# Altium PCB Board.PcbDoc (part 10 of 15) (continued)
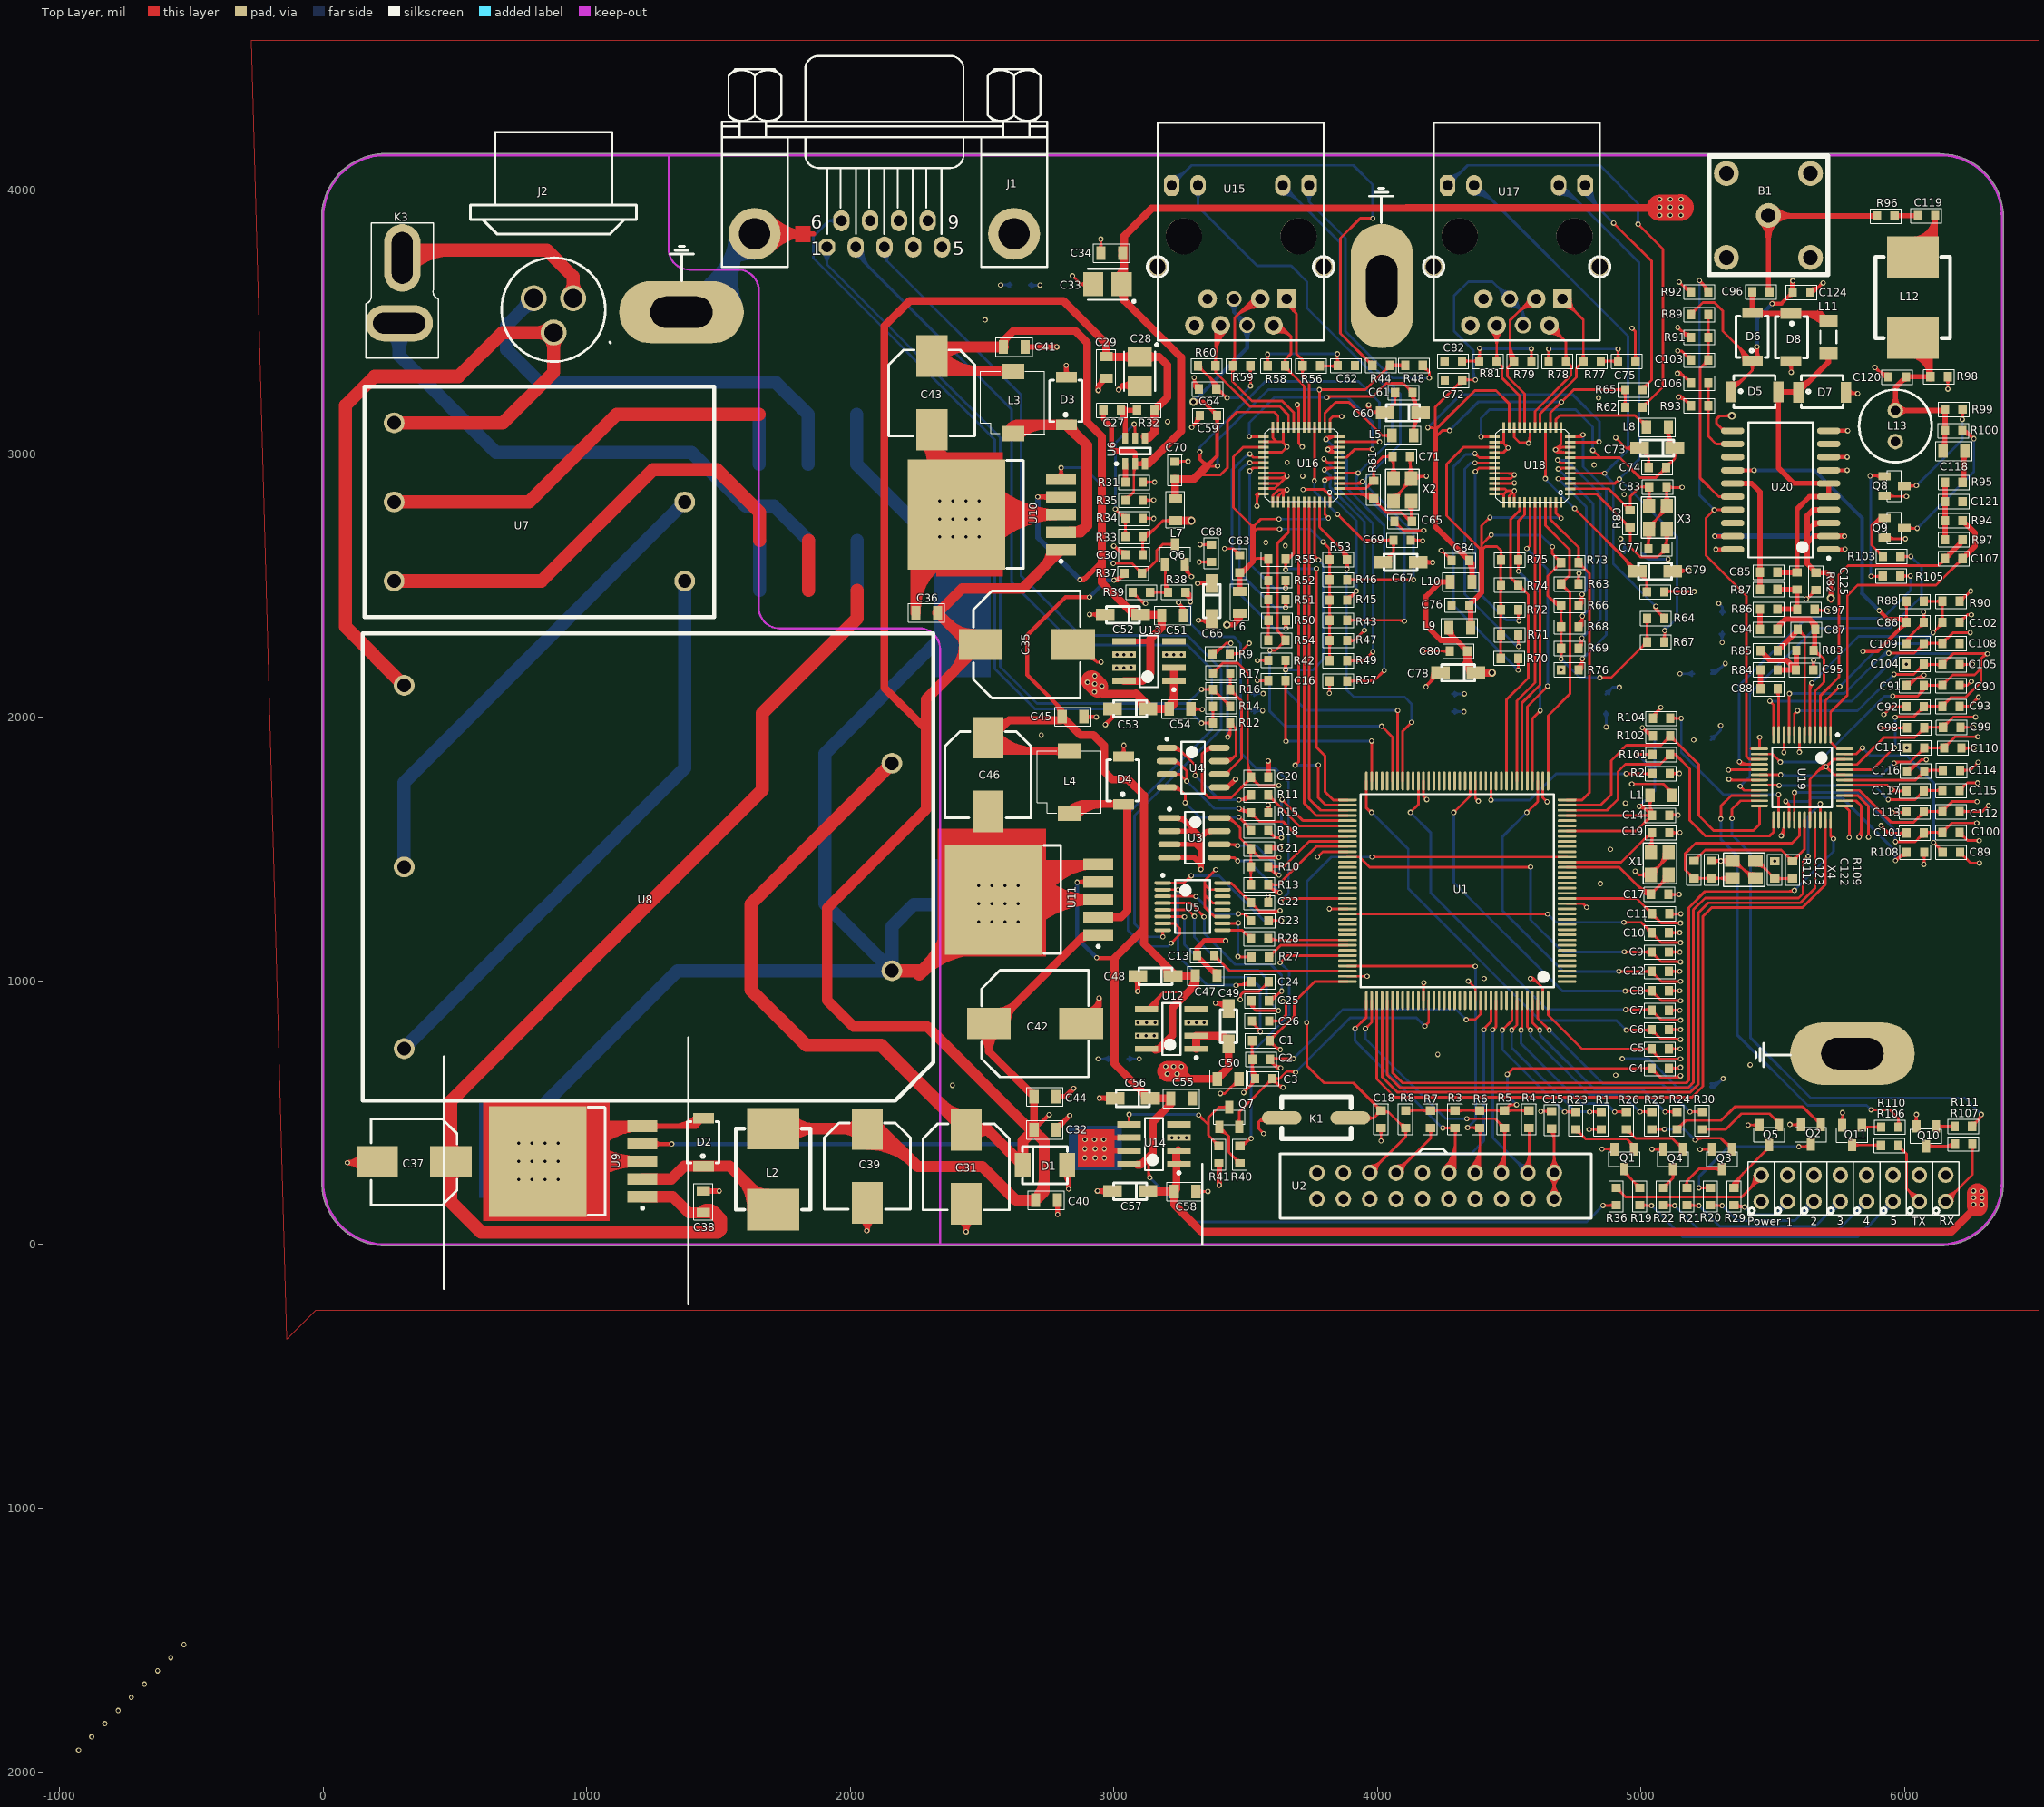
[diagram p0: Top Layer view]
## Nets (pads, with @x,y where several pads share a name; then routed paths per layer and width w, separated by ;. In a path a pad name is that pad's centre, name@x,y a point inside that pad or via, vN(x,y) a via of type N, cw(c..) or ccw(c..) an arc to the next point about the centre after c; other vN are vias at no path point) (continued)
  Bottom Layer w10: v1(3731.6,842.45) 3731.6,1376.45 3825.55,1470.4 v1(3979.65,1470.4) ; v1@3728.06,845.98 ccw(c3719.53,854.52) 3731.6,854.52 ; v1@3728.06,845.98 ccw(c3719.53,854.52) 3731.6,854.52 ; v1@3728.06,845.98 ccw(c3719.53,854.52) 3731.6,854.52 ; 3731.6,854.52 ccw(c3743.67,854.52) v1@3735.13,845.98 ; 3731.6,854.52 ccw(c3743.67,854.52) v1@3735.13,845.98 ; 3731.6,854.52 ccw(c3743.67,854.52) v1@3735.13,845.98 ; 3967.57,1470.4 cw(c3967.57,1458.33) v1@3976.11,1466.87 ; 3967.57,1470.4 ccw(c3967.57,1482.47) v1@3976.11,1473.94 ; 3967.57,1470.4 cw(c3967.57,1458.33) v1@3976.11,1466.87 ; 3967.57,1470.4 ccw(c3967.57,1482.47) v1@3976.11,1473.94 ; 3967.57,1470.4 ccw(c3967.57,1482.47) v1@3976.11,1473.94 ; 3967.57,1470.4 cw(c3967.57,1458.33) v1@3976.11,1466.87
NTRST: R4.1 U1.134 U2.3 | length 1962.3
  Top Layer w10: v1(4437.6,814.45) 4450.24,827.09 U1.134@4450.24,926.11 ; U2.3@4570.6,272.45 4575.6,277.45 R4.1@4575.6,436.45 ; v1@4437.6,819.45 ccw(c4437.6,831.52) 4446.13,822.98 ; v1@4437.6,819.45 ccw(c4437.6,831.52) 4446.13,822.98 ; v1@4437.6,819.45 ccw(c4437.6,831.52) 4446.13,822.98 ; v1@4442.6,814.45 cw(c4454.67,814.45) 4446.13,822.98 ; v1@4442.6,814.45 cw(c4454.67,814.45) 4446.13,822.98 ; v1@4442.6,814.45 cw(c4454.67,814.45) 4446.13,822.98 ; U2.3@4553.25,291.26 ccw(c4499.31,345.21) 4575.6,345.21 ; U2.3@4553.25,291.26 ccw(c4499.31,345.21) 4575.6,345.21 ; U2.3@4553.25,291.26 ccw(c4499.31,345.21) 4575.6,345.21 ; U2.3@4560.33,284.19 ccw(c4523.45,321.06) 4575.6,321.06 ; U2.3@4560.33,284.19 ccw(c4523.45,321.06) 4575.6,321.06 ; U2.3@4560.33,284.19 ccw(c4523.45,321.06) 4575.6,321.06 ; R4.1@4568.97,434.85 cw(c4552.96,418.84) 4575.6,418.84 ; R4.1@4568.97,434.85 cw(c4552.96,418.84) 4575.6,418.84 ; R4.1@4568.97,434.85 cw(c4552.96,418.84) 4575.6,418.84 ; 4575.6,321.06 ccw(c4617.74,321.06) U2.3@4587.94,291.26 ; 4575.6,321.06 ccw(c4617.74,321.06) U2.3@4587.94,291.26 ; 4575.6,321.06 ccw(c4617.74,321.06) U2.3@4587.94,291.26 ; 4575.6,414.16 cw(c4604.85,414.16) R4.1@4584.17,434.85 ; 4575.6,414.16 cw(c4604.85,414.16) R4.1@4584.17,434.85 ; 4575.6,414.16 cw(c4604.85,414.16) R4.1@4584.17,434.85
  Bottom Layer w10: v1(4437.6,814.45) 4437.6,405.45 U2.3@4570.6,272.45 ; v1@4434.06,810.91 cw(c4425.53,802.38) 4437.6,802.38 ; v1@4434.06,810.91 cw(c4425.53,802.38) 4437.6,802.38 ; v1@4434.06,810.91 cw(c4425.53,802.38) 4437.6,802.38 ; 4437.6,802.38 cw(c4449.67,802.38) v1@4441.13,810.91 ; 4437.6,802.38 cw(c4449.67,802.38) v1@4441.13,810.91 ; 4437.6,802.38 cw(c4449.67,802.38) v1@4441.13,810.91 ; 4526.21,316.83 ccw(c4570.6,361.22) U2.3@4570.6,298.45 ; 4526.21,316.83 ccw(c4570.6,361.22) U2.3@4570.6,298.45 ; 4526.21,316.83 ccw(c4570.6,361.22) U2.3@4570.6,298.45 ; 4529.77,313.28 cw(c4490.41,273.92) U2.3@4546.07,273.92 ; 4529.77,313.28 cw(c4490.41,273.92) U2.3@4546.07,273.92 ; 4529.77,313.28 cw(c4490.41,273.92) U2.3@4546.07,273.92 ; 4543.28,299.76 ccw(c4570.6,327.08) U2.3@4570.6,288.45 ; 4543.28,299.76 ccw(c4570.6,327.08) U2.3@4570.6,288.45 ; 4543.28,299.76 ccw(c4570.6,327.08) U2.3@4570.6,288.45 ; 4546.84,296.21 cw(c4524.55,273.92) U2.3@4556.07,273.92 ; 4546.84,296.21 cw(c4524.55,273.92) U2.3@4556.07,273.92 ; 4546.84,296.21 cw(c4524.55,273.92) U2.3@4556.07,273.92
OSC_IN: C17.2 U1.23 X1.1 | length 1272.6
  Top Layer w10: U1.23@4718.94,1431.03 4918.02,1431.03 5019.6,1329.45 ; X1.1@5104.6,1402.45 5104.6,1396.45 C17.2@5037.6,1329.45 5019.6,1329.45 ; 4985.16,1363.89 ccw(c5037.6,1416.32) C17.2@5037.6,1342.17 ; 4985.16,1363.89 ccw(c5037.6,1416.32) C17.2@5037.6,1342.17 ; 4985.16,1363.89 ccw(c5037.6,1416.32) C17.2@5037.6,1342.17 ; 5002.23,1346.81 ccw(c5037.6,1382.18) C17.2@5037.6,1332.17 ; 5002.23,1346.81 ccw(c5037.6,1382.18) C17.2@5037.6,1332.17 ; 5002.23,1346.81 ccw(c5037.6,1382.18) C17.2@5037.6,1332.17 ; 5019.3,1329.74 ccw(c5037.6,1348.04) C17.2@5037.6,1322.17 ; 5019.3,1329.74 ccw(c5037.6,1348.04) C17.2@5037.6,1322.17 ; 5019.3,1329.74 ccw(c5037.6,1348.04) C17.2@5037.6,1322.17 ; 5019.6,1329.45 cw(c5019.6,1319.75) C17.2@5028.14,1324.35 ; 5019.6,1329.45 ccw(c5019.6,1339.15) C17.2@5028.14,1334.55 ; 5019.6,1329.45 cw(c5019.6,1319.75) C17.2@5028.14,1324.35 ; 5019.6,1329.45 ccw(c5019.6,1339.15) C17.2@5028.14,1334.55 ; 5019.6,1329.45 ccw(c5019.6,1339.15) C17.2@5028.14,1334.55 ; 5019.6,1329.45 cw(c5019.6,1319.75) C17.2@5028.14,1324.35 ; C17.2@5037.6,1342.17 ccw(c5037.6,1372.87) 5059.31,1351.16 ; C17.2@5037.6,1342.17 ccw(c5037.6,1372.87) 5059.31,1351.16 ; C17.2@5037.6,1342.17 ccw(c5037.6,1372.87) 5059.31,1351.16 ; C17.2@5048.35,1331.42 cw(c5069.54,1331.42) 5054.55,1346.4 ; C17.2@5048.35,1331.42 cw(c5069.54,1331.42) 5054.55,1346.4 ; C17.2@5048.35,1331.42 cw(c5069.54,1331.42) 5054.55,1346.4 ; 5071.35,1363.2 ccw(c5036.04,1398.51) X1.1@5085.98,1398.51 ; 5071.35,1363.2 ccw(c5036.04,1398.51) X1.1@5085.98,1398.51 ; 5071.35,1363.2 ccw(c5036.04,1398.51) X1.1@5085.98,1398.51 ; 5076.33,1368.18 cw(c5104.6,1339.91) X1.1@5104.6,1379.89 ; 5076.33,1368.18 cw(c5104.6,1339.91) X1.1@5104.6,1379.89 ; 5076.33,1368.18 cw(c5104.6,1339.91) X1.1@5104.6,1379.89 ; X1.1@5088.42,1380.27 ccw(c5070.18,1398.51) X1.1@5095.98,1398.51 ; X1.1@5088.42,1380.27 ccw(c5070.18,1398.51) X1.1@5095.98,1398.51 ; X1.1@5088.42,1380.27 ccw(c5070.18,1398.51) X1.1@5095.98,1398.51
OSC_OUT: C19.2 U1.24 X1.3 | length 950.7
  Top Layer w10: U1.24@4718.94,1450.72 4924.87,1450.72 5026.1,1551.95 C19.2@5037.1,1551.95 ; X1.3@5037.67,1489.06 5041.6,1492.99 C19.2@5041.6,1562.45 ; 5011.35,1537.2 cw(c5041.6,1506.96) C19.2@5041.6,1549.73 ; 5011.35,1537.2 cw(c5041.6,1506.96) C19.2@5041.6,1549.73 ; 5011.35,1537.2 cw(c5041.6,1506.96) C19.2@5041.6,1549.73 ; X1.3@5024.5,1506.17 ccw(c4983.23,1547.44) C19.2@5041.6,1547.44 ; X1.3@5024.5,1506.17 ccw(c4983.23,1547.44) C19.2@5041.6,1547.44 ; X1.3@5024.5,1506.17 ccw(c4983.23,1547.44) C19.2@5041.6,1547.44 ; X1.3@5031.57,1499.1 ccw(c5007.37,1523.3) 5041.6,1523.3 ; X1.3@5031.57,1499.1 ccw(c5007.37,1523.3) 5041.6,1523.3 ; X1.3@5031.57,1499.1 ccw(c5007.37,1523.3) 5041.6,1523.3 ; C19.2@5034,1552.88 cw(c5015.65,1534.53) 5041.6,1534.53 ; C19.2@5034,1552.88 cw(c5015.65,1534.53) 5041.6,1534.53 ; C19.2@5034,1552.88 cw(c5015.65,1534.53) 5041.6,1534.53 ; 5041.6,1528.47 ccw(c5073.14,1528.47) X1.3@5050.84,1506.17 ; 5041.6,1528.47 ccw(c5073.14,1528.47) X1.3@5050.84,1506.17 ; 5041.6,1528.47 ccw(c5073.14,1528.47) X1.3@5050.84,1506.17 ; 5041.6,1534.53 cw(c5067.55,1534.53) C19.2@5049.2,1552.88 ; 5041.6,1534.53 cw(c5067.55,1534.53) C19.2@5049.2,1552.88 ; 5041.6,1534.53 cw(c5067.55,1534.53) C19.2@5049.2,1552.88
PWDN1: R42.2 U1.66 U16.45 | length 2157.2
  Top Layer w10: v1@3647.27,2182.95 ccw(c3630.76,2192.48) 3649.17,2197.42 ; v1(3651.6,2180.45) R42.2@3651.6,2216.28 ; 3654.02,2197.42 ccw(c3672.44,2192.48) v1@3655.93,2182.95 ; U16.45@3760.81,2816.72 3760.81,2613.24 v1(3776.6,2597.45) ; U1.66@4076.22,1758.79 4076.22,2026.07 v1(4076.6,2026.45) ; R42.2@3644,2206.71 cw(c3625.65,2188.37) v1@3651.6,2188.37 ; R42.2@3644,2206.71 cw(c3625.65,2188.37) v1@3651.6,2188.37 ; R42.2@3644,2206.71 cw(c3625.65,2188.37) v1@3651.6,2188.37 ; v1@3648.06,2183.98 ccw(c3639.53,2192.52) 3651.6,2192.52 ; v1@3648.06,2183.98 ccw(c3639.53,2192.52) 3651.6,2192.52 ; v1@3648.06,2183.98 ccw(c3639.53,2192.52) 3651.6,2192.52 ; v1@3651.6,2188.37 cw(c3677.55,2188.37) R42.2@3659.2,2206.71 ; v1@3651.6,2188.37 cw(c3677.55,2188.37) R42.2@3659.2,2206.71 ; v1@3651.6,2188.37 cw(c3677.55,2188.37) R42.2@3659.2,2206.71 ; 3651.6,2192.52 ccw(c3663.67,2192.52) v1@3655.13,2183.98 ; 3651.6,2192.52 ccw(c3663.67,2192.52) v1@3655.13,2183.98 ; 3651.6,2192.52 ccw(c3663.67,2192.52) v1@3655.13,2183.98 ; 3768.06,2605.98 cw(c3759.53,2597.45) v1@3771.6,2597.45 ; 3768.06,2605.98 ccw(c3776.6,2614.52) v1@3776.6,2602.45 ; 3768.06,2605.98 cw(c3759.53,2597.45) v1@3771.6,2597.45 ; 3768.06,2605.98 ccw(c3776.6,2614.52) v1@3776.6,2602.45 ; 3768.06,2605.98 ccw(c3776.6,2614.52) v1@3776.6,2602.45 ; 3768.06,2605.98 cw(c3759.53,2597.45) v1@3771.6,2597.45 ; v1@4073.06,2022.91 cw(c4065.44,2015.29) 4076.22,2015.29 ; v1@4073.06,2022.91 cw(c4065.44,2015.29) 4076.22,2015.29 ; v1@4073.06,2022.91 cw(c4065.44,2015.29) 4076.22,2015.29 ; 4076.22,2013.47 cw(c4089.58,2013.47) v1@4080.13,2022.91 ; 4076.22,2013.47 cw(c4089.58,2013.47) v1@4080.13,2022.91 ; 4076.22,2013.47 cw(c4089.58,2013.47) v1@4080.13,2022.91
  Bottom Layer w10: v1(3776.6,2597.45) 3794.6,2579.45 3794.6,2219.45 3755.6,2180.45 v1(3651.6,2180.45) 3651.6,2105.45 3730.6,2026.45 v1(4076.6,2026.45) ; v1@3648.06,2176.91 cw(c3639.53,2168.38) 3651.6,2168.38 ; v1@3648.06,2176.91 cw(c3639.53,2168.38) 3651.6,2168.38 ; v1@3648.06,2176.91 cw(c3639.53,2168.38) 3651.6,2168.38 ; 3651.6,2168.38 cw(c3663.67,2168.38) v1@3655.13,2176.91 ; 3651.6,2168.38 cw(c3663.67,2168.38) v1@3655.13,2176.91 ; 3651.6,2168.38 cw(c3663.67,2168.38) v1@3655.13,2176.91 ; v1@3655.13,2176.91 cw(c3663.67,2168.38) 3663.67,2180.45 ; v1@3655.13,2176.91 cw(c3663.67,2168.38) 3663.67,2180.45 ; v1@3655.13,2176.91 cw(c3663.67,2168.38) 3663.67,2180.45 ; v1@3655.13,2183.98 ccw(c3663.67,2192.52) 3663.67,2180.45 ; v1@3655.13,2183.98 ccw(c3663.67,2192.52) 3663.67,2180.45 ; v1@3655.13,2183.98 ccw(c3663.67,2192.52) 3663.67,2180.45 ; v1@3776.6,2592.45 cw(c3776.6,2580.38) 3785.13,2588.91 ; v1@3776.6,2592.45 cw(c3776.6,2580.38) 3785.13,2588.91 ; v1@3776.6,2592.45 cw(c3776.6,2580.38) 3785.13,2588.91 ; v1@3781.6,2597.45 ccw(c3793.67,2597.45) 3785.13,2588.91 ; v1@3781.6,2597.45 ccw(c3793.67,2597.45) 3785.13,2588.91 ; v1@3781.6,2597.45 ccw(c3793.67,2597.45) 3785.13,2588.91 ; 4064.53,2026.45 cw(c4064.53,2014.38) v1@4073.06,2022.91 ; 4064.53,2026.45 ccw(c4064.53,2038.52) v1@4073.06,2029.98 ; 4064.53,2026.45 cw(c4064.53,2014.38) v1@4073.06,2022.91 ; 4064.53,2026.45 ccw(c4064.53,2038.52) v1@4073.06,2029.98 ; 4064.53,2026.45 ccw(c4064.53,2038.52) v1@4073.06,2029.98 ; 4064.53,2026.45 cw(c4064.53,2014.38) v1@4073.06,2022.91
PWDN2: R63.2 U1.37 U18.45 | length 1400.7
  Top Layer w10: U18.45@4636.81,2815.72 4636.81,2728.24 4728.6,2636.45 4728.6,2538.76 R63.2@4696.45,2506.61 4729.6,2473.46 4729.6,2088.45 4647.09,2005.94 U1.37@4647.09,1758.79 ; R63.2@4696.45,2493.89 cw(c4696.45,2463.19) 4718.16,2484.9 ; R63.2@4696.45,2493.89 cw(c4696.45,2463.19) 4718.16,2484.9 ; R63.2@4696.45,2493.89 cw(c4696.45,2463.19) 4718.16,2484.9 ; R63.2@4696.45,2519.32 ccw(c4696.45,2550.02) 4718.16,2528.32 ; R63.2@4696.45,2519.32 ccw(c4696.45,2550.02) 4718.16,2528.32 ; R63.2@4696.45,2519.32 ccw(c4696.45,2550.02) 4718.16,2528.32 ; R63.2@4707.2,2504.64 ccw(c4728.39,2504.64) 4713.4,2489.65 ; R63.2@4707.2,2504.64 ccw(c4728.39,2504.64) 4713.4,2489.65 ; R63.2@4707.2,2504.64 ccw(c4728.39,2504.64) 4713.4,2489.65 ; R63.2@4707.2,2508.58 cw(c4728.39,2508.58) 4713.4,2523.56 ; R63.2@4707.2,2508.58 cw(c4728.39,2508.58) 4713.4,2523.56 ; R63.2@4707.2,2508.58 cw(c4728.39,2508.58) 4713.4,2523.56
RESET1: R53.2 U1.65 U16.46 | length 2018.1
  Top Layer w10: U16.46@3780.5,2816.72 3780.5,2721.55 3885.1,2616.95 ; v1@3880.27,2564.95 ccw(c3863.63,2574.56) 3882.19,2579.53 ; v1(3884.6,2562.45) R53.2@3884.6,2598.45 3885.1,2598.95 3885.1,2616.95 ; 3887.01,2579.53 ccw(c3905.57,2574.56) v1@3888.93,2564.95 ; U1.65@4095.91,1758.79 4095.91,1947.76 v1(4129.6,1981.45) ; 3854.21,2647.84 cw(c3806.78,2600.42) R53.2@3873.85,2600.42 ; 3854.21,2647.84 cw(c3806.78,2600.42) R53.2@3873.85,2600.42 ; 3854.21,2647.84 cw(c3806.78,2600.42) R53.2@3873.85,2600.42 ; 3871.28,2630.77 cw(c3840.93,2600.42) R53.2@3883.85,2600.42 ; 3871.28,2630.77 cw(c3840.93,2600.42) R53.2@3883.85,2600.42 ; 3871.28,2630.77 cw(c3840.93,2600.42) R53.2@3883.85,2600.42 ; R53.2@3877,2588.88 cw(c3858.65,2570.53) v1@3884.6,2570.53 ; R53.2@3877,2588.88 cw(c3858.65,2570.53) v1@3884.6,2570.53 ; R53.2@3877,2588.88 cw(c3858.65,2570.53) v1@3884.6,2570.53 ; R53.2@3880.65,2610.41 ccw(c3878.07,2616.95) 3885.1,2616.95 ; R53.2@3880.65,2610.41 ccw(c3878.07,2616.95) 3885.1,2616.95 ; R53.2@3880.65,2610.41 ccw(c3878.07,2616.95) 3885.1,2616.95 ; v1@3881.06,2565.98 ccw(c3872.53,2574.52) 3884.6,2574.52 ; v1@3881.06,2565.98 ccw(c3872.53,2574.52) 3884.6,2574.52 ; v1@3881.06,2565.98 ccw(c3872.53,2574.52) 3884.6,2574.52 ; v1@3884.6,2570.53 cw(c3910.55,2570.53) R53.2@3892.2,2588.88 ; v1@3884.6,2570.53 cw(c3910.55,2570.53) R53.2@3892.2,2588.88 ; v1@3884.6,2570.53 cw(c3910.55,2570.53) R53.2@3892.2,2588.88 ; 3884.6,2574.52 ccw(c3896.67,2574.52) v1@3888.13,2565.98 ; 3884.6,2574.52 ccw(c3896.67,2574.52) v1@3888.13,2565.98 ; 3884.6,2574.52 ccw(c3896.67,2574.52) v1@3888.13,2565.98 ; 3885.1,2616.95 ccw(c3892.81,2616.95) R53.2@3889.38,2610.04 ; 3885.1,2616.95 ccw(c3892.81,2616.95) R53.2@3889.38,2610.04 ; 3885.1,2616.95 ccw(c3892.81,2616.95) R53.2@3889.38,2610.04 ; 4121.06,1972.91 cw(c4129.6,1964.38) v1@4129.6,1976.45 ; 4121.06,1972.91 ccw(c4112.53,1981.45) v1@4124.6,1981.45 ; 4121.06,1972.91 cw(c4129.6,1964.38) v1@4129.6,1976.45 ; 4121.06,1972.91 ccw(c4112.53,1981.45) v1@4124.6,1981.45 ; 4121.06,1972.91 ccw(c4112.53,1981.45) v1@4124.6,1981.45 ; 4121.06,1972.91 cw(c4129.6,1964.38) v1@4129.6,1976.45
  Bottom Layer w10: v1(3884.6,2562.45) 3881.6,2559.45 3881.6,2105.45 3910.6,2076.45 4103.6,2076.45 4129.6,2050.45 v1(4129.6,1981.45) ; 3881.6,2543.14 cw(c3903.91,2543.14) v1@3888.13,2558.91 ; 3881.6,2543.14 cw(c3903.91,2543.14) v1@3888.13,2558.91 ; 3881.6,2543.14 cw(c3903.91,2543.14) v1@3888.13,2558.91 ; v1@4126.06,1984.98 ccw(c4117.53,1993.52) 4129.6,1993.52 ; v1@4126.06,1984.98 ccw(c4117.53,1993.52) 4129.6,1993.52 ; v1@4126.06,1984.98 ccw(c4117.53,1993.52) 4129.6,1993.52 ; 4129.6,1993.52 ccw(c4141.67,1993.52) v1@4133.13,1984.98 ; 4129.6,1993.52 ccw(c4141.67,1993.52) v1@4133.13,1984.98 ; 4129.6,1993.52 ccw(c4141.67,1993.52) v1@4133.13,1984.98
RESET2: R73.2 U1.36 U18.46 | length 1503.4
  Top Layer w10: U18.46@4656.5,2815.72 4656.5,2750.55 4762.6,2644.45 R73.2@4762.6,2587.45 4803.6,2546.45 4803.6,1713.45 4777.09,1686.94 U1.36@4718.94,1686.94 ; R73.2@4755,2597.02 ccw(c4736.65,2615.37) 4762.6,2615.37 ; R73.2@4755,2597.02 ccw(c4736.65,2615.37) 4762.6,2615.37 ; R73.2@4755,2597.02 ccw(c4736.65,2615.37) 4762.6,2615.37 ; R73.2@4762.6,2574.73 cw(c4762.6,2544.03) 4784.31,2565.74 ; R73.2@4762.6,2574.73 cw(c4762.6,2544.03) 4784.31,2565.74 ; R73.2@4762.6,2574.73 cw(c4762.6,2544.03) 4784.31,2565.74 ; 4762.6,2615.37 ccw(c4788.55,2615.37) R73.2@4770.2,2597.02 ; 4762.6,2615.37 ccw(c4788.55,2615.37) R73.2@4770.2,2597.02 ; 4762.6,2615.37 ccw(c4788.55,2615.37) R73.2@4770.2,2597.02 ; R73.2@4773.35,2585.48 ccw(c4794.54,2585.48) 4779.55,2570.49 ; R73.2@4773.35,2585.48 ccw(c4794.54,2585.48) 4779.55,2570.49 ; R73.2@4773.35,2585.48 ccw(c4794.54,2585.48) 4779.55,2570.49
RS232_RX: J1.2 U5.7 | length 4490.9
  Top Layer w10: U5.7@3185.41,1218.47 3231.57,1218.47 3250.6,1199.45 3250.6,1176.45 v1(3217.6,1143.45) ; v1@3217.6,1148.45 ccw(c3217.6,1160.52) 3226.13,1151.98 ; v1@3217.6,1148.45 ccw(c3217.6,1160.52) 3226.13,1151.98 ; v1@3217.6,1148.45 ccw(c3217.6,1160.52) 3226.13,1151.98 ; v1@3222.6,1143.45 cw(c3234.67,1143.45) 3226.13,1151.98 ; v1@3222.6,1143.45 cw(c3234.67,1143.45) 3226.13,1151.98 ; v1@3222.6,1143.45 cw(c3234.67,1143.45) 3226.13,1151.98
  Bottom Layer w10: J1.2@2013.6,3766.45 2077.6,3702.45 2612.6,3167.45 2612.6,2512.45 2850.6,2274.45 3278.6,2274.45 3371.6,2181.45 3371.6,1953.45 3053.14,1634.99 3053.14,1191.99 3113.69,1131.45 3205.6,1131.45 v1(3217.6,1143.45) ; J1.2@2026.62,3775.45 ccw(c2079.8,3775.45) 2042.2,3737.85 ; J1.2@2036.62,3775.45 ccw(c2113.94,3775.45) 2059.27,3720.78 ; J1.2@2046.62,3775.45 ccw(c2148.08,3775.45) 2076.34,3703.71 ; v1@3212.6,1143.45 cw(c3200.53,1143.45) 3209.06,1134.91 cw(c3217.6,1126.38) v1@3217.6,1138.45 ; J1.2@2020.62,3749.45 cw(c2020.62,3725.37) 2037.65,3742.4 ; J1.2@2020.62,3749.45 cw(c2020.62,3725.37) 2037.65,3742.4 ; J1.2@2020.62,3749.45 cw(c2020.62,3725.37) 2037.65,3742.4 ; J1.2@2026.6,3774.96 ccw(c2069.49,3771.41) 2039.06,3740.99 cw(c2069.49,3771.41) J1.2@2026.6,3774.96 ; J1.2@2036.57,3774.13 ccw(c2097.68,3769.09) 2054.32,3725.72 cw(c2097.68,3769.09) J1.2@2036.57,3774.13 ; J1.2@2046.54,3773.31 ccw(c2125.88,3766.76) 2069.58,3710.46 cw(c2125.88,3766.76) J1.2@2046.54,3773.31
RS232_TX: J1.3 U5.8 | length 3940.1
  Top Layer w10: v1@3185.41,1167.45 U5.8@3185.41,1192.88 ; v1@3182.06,1170.98 ccw(c3173.98,1179.06) 3185.41,1179.06 ; v1@3182.06,1170.98 ccw(c3173.98,1179.06) 3185.41,1179.06 ; v1@3182.06,1170.98 ccw(c3173.98,1179.06) 3185.41,1179.06 ; 3185.41,1179.98 ccw(c3198.13,1179.98) v1@3189.13,1170.98 ; 3185.41,1179.98 ccw(c3198.13,1179.98) v1@3189.13,1170.98 ; 3185.41,1179.98 ccw(c3198.13,1179.98) v1@3189.13,1170.98
  Bottom Layer w10: J1.3@2138.6,3773.45 2138.6,3732.45 2648.6,3222.45 2648.6,2536.45 2874.6,2310.45 3278.6,2310.45 3407.6,2181.45 3407.6,1956.45 3078.6,1627.45 3078.6,1217.45 3128.6,1167.45 v1(3185.6,1167.45) ; J1.3@2123.87,3750.13 cw(c2119.52,3731.56) 2138.6,3731.56 ; J1.3@2123.87,3750.13 cw(c2119.52,3731.56) 2138.6,3731.56 ; J1.3@2123.87,3750.13 cw(c2119.52,3731.56) 2138.6,3731.56 ; J1.3@2126.15,3759.87 cw(c2122.47,3744.17) 2138.6,3744.17 ; J1.3@2126.15,3759.87 cw(c2122.47,3744.17) 2138.6,3744.17 ; J1.3@2126.15,3759.87 cw(c2122.47,3744.17) 2138.6,3744.17 ; 2138.6,3733.95 cw(c2171.29,3733.95) J1.3@2148.17,3757.06 ; 2138.6,3733.95 cw(c2171.29,3733.95) J1.3@2148.17,3757.06 ; 2138.6,3733.95 cw(c2171.29,3733.95) J1.3@2148.17,3757.06 ; 3173.53,1167.45 cw(c3173.53,1155.38) v1@3182.06,1163.91 ; 3173.53,1167.45 ccw(c3173.53,1179.52) v1@3182.06,1170.98 ; 3173.53,1167.45 cw(c3173.53,1155.38) v1@3182.06,1163.91 ; 3173.53,1167.45 ccw(c3173.53,1179.52) v1@3182.06,1170.98 ; 3173.53,1167.45 ccw(c3173.53,1179.52) v1@3182.06,1170.98 ; 3173.53,1167.45 cw(c3173.53,1155.38) v1@3182.06,1163.91
RS485_N: J1.1 R14.2 R16.1 | length 3793.7
  Top Layer w10: v1(3332.6,2106.45) 3374.1,2106.45 R16.1@3375.6,2104.95 3378.35,2104.95 R14.2@3441.6,2041.7 ; v1@3336.13,2102.91 cw(c3344.67,2094.38) 3344.67,2106.45 ; v1@3336.13,2102.91 cw(c3344.67,2094.38) 3344.67,2106.45 ; v1@3336.13,2102.91 cw(c3344.67,2094.38) 3344.67,2106.45 ; v1@3336.13,2109.98 ccw(c3344.67,2118.52) 3344.67,2106.45 ; v1@3336.13,2109.98 ccw(c3344.67,2118.52) 3344.67,2106.45 ; v1@3336.13,2109.98 ccw(c3344.67,2118.52) 3344.67,2106.45 ; 3348.52,2106.45 ccw(c3348.52,2134) R16.1@3368,2114.52 ; 3348.52,2106.45 ccw(c3348.52,2134) R16.1@3368,2114.52 ; 3348.52,2106.45 ccw(c3348.52,2134) R16.1@3368,2114.52 ; 3350.78,2106.45 cw(c3350.78,2082.1) R16.1@3368,2099.32 ; 3350.78,2106.45 cw(c3350.78,2082.1) R16.1@3368,2099.32 ; 3350.78,2106.45 cw(c3350.78,2082.1) R16.1@3368,2099.32 ; R16.1@3375.6,2092.23 cw(c3375.6,2054.89) 3402,2081.3 ; R16.1@3375.6,2092.23 cw(c3375.6,2054.89) 3402,2081.3 ; R16.1@3375.6,2092.23 cw(c3375.6,2054.89) 3402,2081.3 ; R16.1@3386.35,2102.98 ccw(c3400.9,2102.98) R16.1@3390.61,2092.69 ; R16.1@3386.35,2102.98 ccw(c3400.9,2102.98) R16.1@3390.61,2092.69 ; R16.1@3386.35,2102.98 ccw(c3400.9,2102.98) R16.1@3390.61,2092.69 ; 3419.89,2063.41 ccw(c3441.6,2085.12) R14.2@3441.6,2054.42 ; 3419.89,2063.41 ccw(c3441.6,2085.12) R14.2@3441.6,2054.42 ; 3419.89,2063.41 ccw(c3441.6,2085.12) R14.2@3441.6,2054.42 ; 3424.64,2058.65 cw(c3409.65,2043.67) R14.2@3430.85,2043.67 ; 3424.64,2058.65 cw(c3409.65,2043.67) R14.2@3430.85,2043.67 ; 3424.64,2058.65 cw(c3409.65,2043.67) R14.2@3430.85,2043.67
  Bottom Layer w10: J1.1@1911.6,3775.45 1911.6,3718.73 2568.6,3061.73 2568.6,2192.45 2708.6,2052.45 3278.6,2052.45 v1(3332.6,2106.45) ; J1.1@1893.07,3766.06 cw(c1848.35,3721.34) 1911.6,3721.34 ; J1.1@1893.07,3766.06 cw(c1848.35,3721.34) 1911.6,3721.34 ; J1.1@1893.07,3766.06 cw(c1848.35,3721.34) 1911.6,3721.34 ; J1.1@1900.14,3773.14 cw(c1872.49,3745.48) 1911.6,3745.48 ; J1.1@1900.14,3773.14 cw(c1872.49,3745.48) 1911.6,3745.48 ; J1.1@1900.14,3773.14 cw(c1872.49,3745.48) 1911.6,3745.48 ; 1911.6,3722.02 cw(c1973.88,3722.02) J1.1@1929.84,3766.06 ; 1911.6,3722.02 cw(c1973.88,3722.02) J1.1@1929.84,3766.06 ; 1911.6,3722.02 cw(c1973.88,3722.02) J1.1@1929.84,3766.06 ; 1911.6,3746.16 cw(c1949.74,3746.16) J1.1@1922.77,3773.14 ; 1911.6,3746.16 cw(c1949.74,3746.16) J1.1@1922.77,3773.14 ; 1911.6,3746.16 cw(c1949.74,3746.16) J1.1@1922.77,3773.14 ; 3324.06,2097.91 cw(c3332.6,2089.38) v1@3332.6,2101.45 ; 3324.06,2097.91 ccw(c3315.53,2106.45) v1@3327.6,2106.45 ; 3324.06,2097.91 cw(c3332.6,2089.38) v1@3332.6,2101.45 ; 3324.06,2097.91 ccw(c3315.53,2106.45) v1@3327.6,2106.45 ; 3324.06,2097.91 ccw(c3315.53,2106.45) v1@3327.6,2106.45 ; 3324.06,2097.91 cw(c3332.6,2089.38) v1@3332.6,2101.45
RS485_P: J1.6 R12.1 R14.1 | length 3691.1
  Top Layer w10: v1(3332.6,1978.45) R12.1@3375.6,1978.45 R14.1@3375.6,2041.7 ; v1@3336.13,1974.91 cw(c3344.67,1966.38) 3344.67,1978.45 ; v1@3336.13,1974.91 cw(c3344.67,1966.38) 3344.67,1978.45 ; v1@3336.13,1974.91 cw(c3344.67,1966.38) 3344.67,1978.45 ; v1@3336.13,1981.98 ccw(c3344.67,1990.52) 3344.67,1978.45 ; v1@3336.13,1981.98 ccw(c3344.67,1990.52) 3344.67,1978.45 ; v1@3336.13,1981.98 ccw(c3344.67,1990.52) 3344.67,1978.45 ; 3349.65,1978.45 cw(c3349.65,1952.5) R12.1@3368,1970.85 ; 3349.65,1978.45 ccw(c3349.65,2004.4) R12.1@3368,1986.05 ; 3349.65,1978.45 cw(c3349.65,1952.5) R12.1@3368,1970.85 ; 3349.65,1978.45 ccw(c3349.65,2004.4) R12.1@3368,1986.05 ; 3349.65,1978.45 ccw(c3349.65,2004.4) R12.1@3368,1986.05 ; 3349.65,1978.45 cw(c3349.65,1952.5) R12.1@3368,1970.85 ; R12.1@3368,1988.02 ccw(c3349.65,2006.37) 3375.6,2006.37 ; R12.1@3368,1988.02 ccw(c3349.65,2006.37) 3375.6,2006.37 ; R12.1@3368,1988.02 ccw(c3349.65,2006.37) 3375.6,2006.37 ; R14.1@3368,2032.13 cw(c3349.65,2013.78) 3375.6,2013.78 ; R14.1@3368,2032.13 cw(c3349.65,2013.78) 3375.6,2013.78 ; R14.1@3368,2032.13 cw(c3349.65,2013.78) 3375.6,2013.78 ; 3375.6,2006.37 ccw(c3401.55,2006.37) R12.1@3383.2,1988.02 ; 3375.6,2006.37 ccw(c3401.55,2006.37) R12.1@3383.2,1988.02 ; 3375.6,2006.37 ccw(c3401.55,2006.37) R12.1@3383.2,1988.02 ; 3375.6,2013.78 cw(c3401.55,2013.78) R14.1@3383.2,2032.13 ; 3375.6,2013.78 cw(c3401.55,2013.78) R14.1@3383.2,2032.13 ; 3375.6,2013.78 cw(c3401.55,2013.78) R14.1@3383.2,2032.13
  Bottom Layer w10: J1.6@1966.46,3884.45 1919.6,3884.45 ; v1(3332.6,1978.45) 3278.6,2032.45 2700.31,2032.45 2548.6,2184.16 2548.6,3053.45 1859.6,3742.45 1859.6,3824.45 1919.6,3884.45 ; 1919.6,3884.45 cw(c1919.6,3855.23) J1.6@1944.4,3870.69 ; 1919.6,3884.45 ccw(c1919.6,3913.67) J1.6@1944.4,3898.21 ; 1919.6,3884.45 cw(c1919.6,3855.23) J1.6@1944.4,3870.69 ; 1919.6,3884.45 ccw(c1919.6,3913.67) J1.6@1944.4,3898.21 ; 1919.6,3884.45 ccw(c1919.6,3913.67) J1.6@1944.4,3898.21 ; 1919.6,3884.45 cw(c1919.6,3855.23) J1.6@1944.4,3870.69 ; 3324.06,1986.98 cw(c3315.53,1978.45) v1@3327.6,1978.45 ; 3324.06,1986.98 ccw(c3332.6,1995.52) v1@3332.6,1983.45 ; 3324.06,1986.98 cw(c3315.53,1978.45) v1@3327.6,1978.45 ; 3324.06,1986.98 ccw(c3332.6,1995.52) v1@3332.6,1983.45 ; 3324.06,1986.98 ccw(c3332.6,1995.52) v1@3332.6,1983.45 ; 3324.06,1986.98 cw(c3315.53,1978.45) v1@3327.6,1978.45
RST1: R102.1 U1.35 U19.24 | length 1501.2
  Top Layer w10: U1.35@4718.94,1667.25 4846.4,1667.25 4886.6,1707.45 4886.6,1836.45 4944.6,1894.45 5075.6,1894.45 R102.1@5110.6,1929.45 5218.6,1821.45 5218.6,1627.45 5275.6,1570.45 5425.6,1570.45 5449.18,1594.03 U19.24@5449.18,1664.18 ; 5088.89,1907.74 cw(c5110.6,1886.03) R102.1@5110.6,1916.73 ; 5088.89,1907.74 cw(c5110.6,1886.03) R102.1@5110.6,1916.73 ; 5088.89,1907.74 cw(c5110.6,1886.03) R102.1@5110.6,1916.73 ; 5093.64,1912.49 ccw(c5078.65,1927.48) R102.1@5099.85,1927.48 ; 5093.64,1912.49 ccw(c5078.65,1927.48) R102.1@5099.85,1927.48 ; 5093.64,1912.49 ccw(c5078.65,1927.48) R102.1@5099.85,1927.48 ; R102.1@5110.6,1916.73 cw(c5110.6,1886.03) 5132.31,1907.74 ; R102.1@5110.6,1916.73 cw(c5110.6,1886.03) 5132.31,1907.74 ; R102.1@5110.6,1916.73 cw(c5110.6,1886.03) 5132.31,1907.74 ; R102.1@5121.35,1927.48 ccw(c5142.54,1927.48) 5127.55,1912.49 ; R102.1@5121.35,1927.48 ccw(c5142.54,1927.48) 5127.55,1912.49 ; R102.1@5121.35,1927.48 ccw(c5142.54,1927.48) 5127.55,1912.49